# Altium PCB 15-34级主板.PcbDoc (part 2 of 4)
Units mil, origin at the board's own origin, x right, y up, seen from the top; angles counter-clockwise.
Board outline 2090.18 x 2701.44 mil, 2 copper layers (Top Layer, Bottom Layer); 13 components, 36 nets, 276 pads, 223 vias.
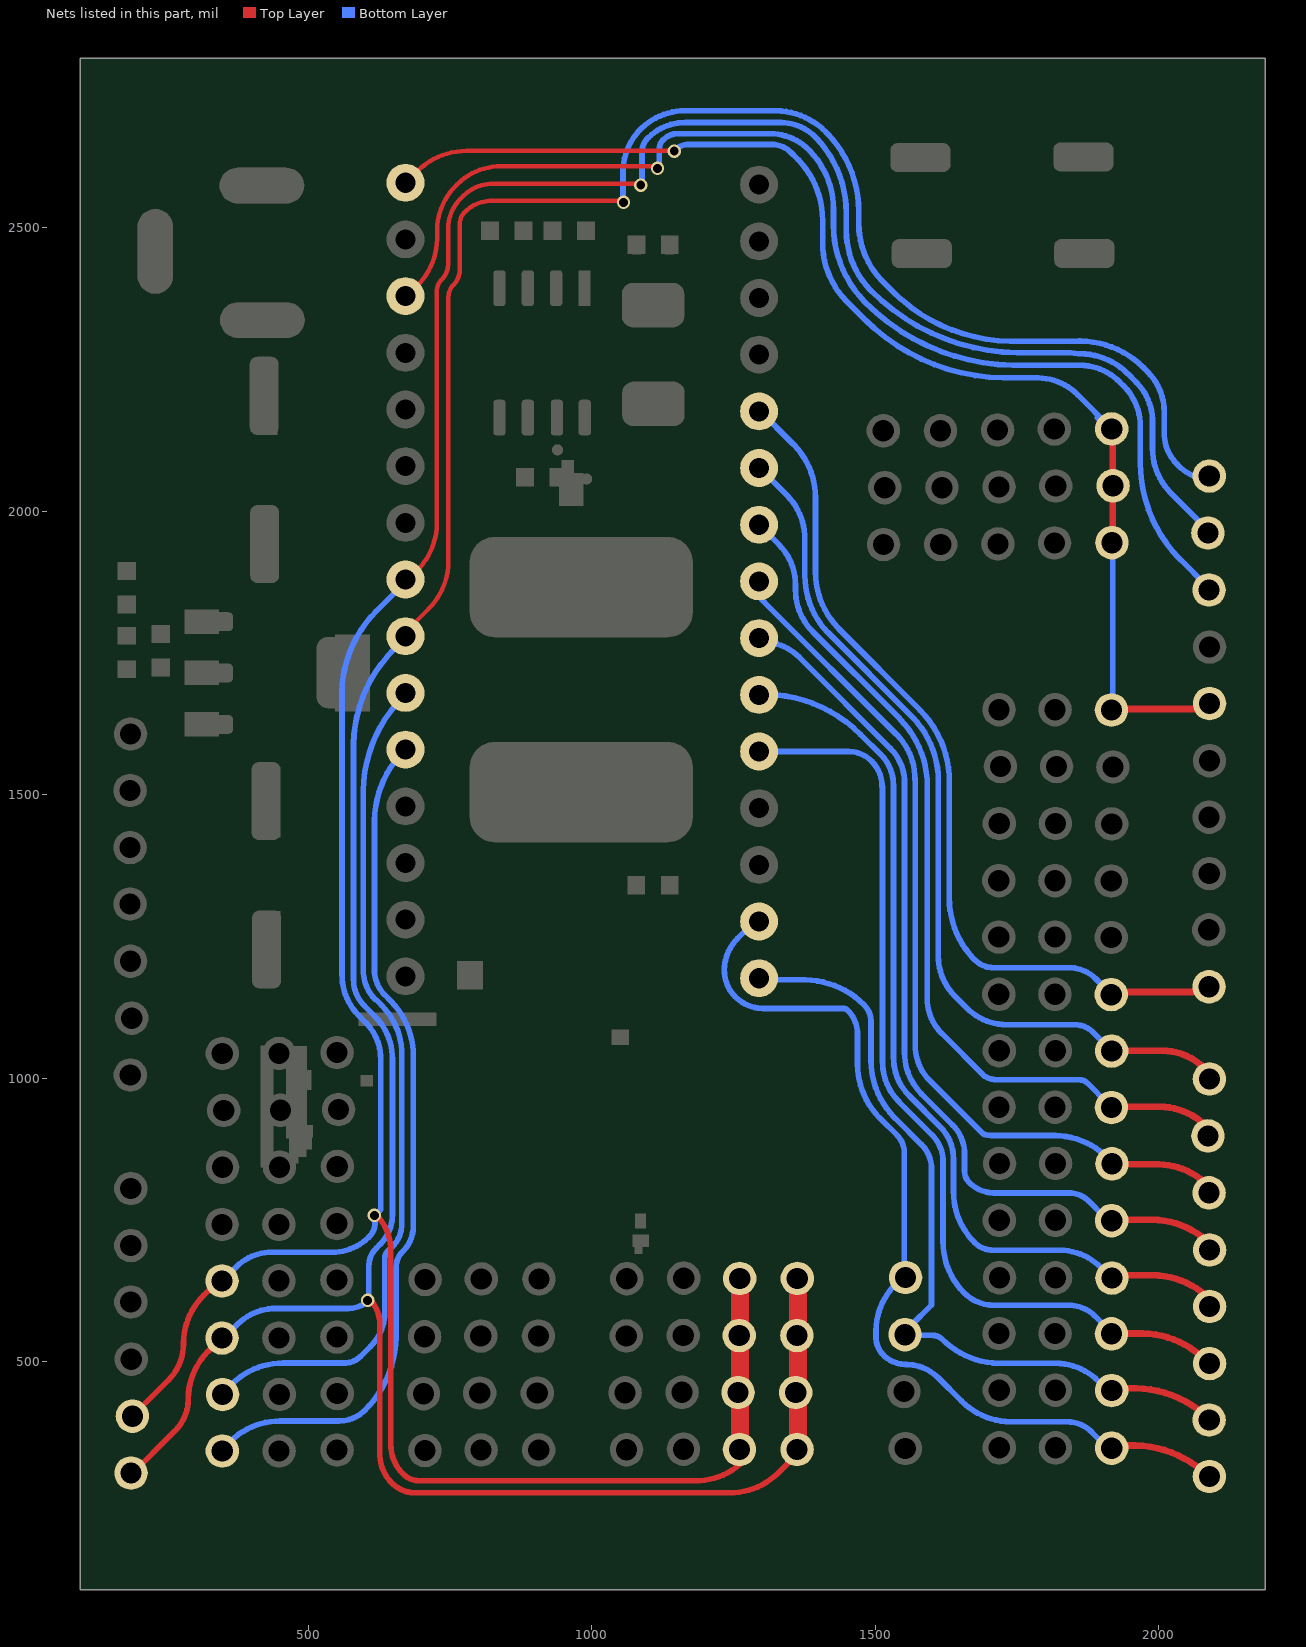
[diagram p2: the nets of this part, all layers, seen from the top]

## Via types
v1: diameter 23.62, hole 15.75, Top Layer to Bottom Layer, 223 vias

## Nets (pads, with @x,y where several pads share a name; then routed paths per layer and width w, separated by ;. In a path a pad name is that pad's centre, name@x,y a point inside that pad or via, vN(x,y) a via of type N, cw(c..) or ccw(c..) an arc to the next point about the centre after c; other vN are vias at no path point) (continued)
$Net4: pad.0@189.62,403.78 pad.0@347.77,642.37 pad.0@671.33,1879.65 pad.0@1258,445.49 pad.0@1260.08,545.91 pad.0@1260.49,345.1 pad.0@1260.92,646.75 pad.0@2086.75,1961.75 | length 5760.7
  Top Layer w7.87: pad.0@683.83,1887.58 691.39,1895.14 697.14,1901.3 702.44,1907.85 707.27,1914.75 711.61,1921.97 715.43,1929.48 718.73,1937.23 721.47,1945.2 723.65,1953.34 725.26,1961.61 726.28,1969.97 726.72,1978.38 726.74,1980.49 726.74,2388.69 726.74,2389.19 726.85,2391.17 727.09,2393.15 727.47,2395.1 727.98,2397.02 728.63,2398.9 729.41,2400.73 730.31,2402.5 731.33,2404.2 732.47,2405.83 733.72,2407.38 735.08,2408.83 736.98,2410.86 738.72,2413.02 740.32,2415.3 741.75,2417.68 743.01,2420.16 744.1,2422.71 745,2425.34 745.72,2428.02 746.25,2430.75 746.59,2433.51 746.73,2436.29 746.74,2436.98 746.74,2499.24 746.76,2500.52 747.02,2505.64 747.65,2510.73 748.63,2515.76 749.95,2520.71 751.62,2525.55 753.62,2530.27 755.95,2534.84 758.59,2539.23 761.53,2543.43 764.75,2547.41 768.25,2551.16 773.42,2556.33 774.33,2557.24 778.17,2560.69 782.23,2563.87 786.51,2566.75 790.98,2569.33 795.62,2571.6 800.41,2573.53 805.32,2575.13 810.32,2576.37 815.41,2577.27 820.54,2577.81 825.7,2577.99 v1@1086.32,2577.99
  Top Layer w10: pad.0@174.67,388.83 253.15,467.32 257.46,471.94 261.44,476.85 265.06,482.03 268.32,487.45 271.19,493.08 273.65,498.89 275.71,504.87 277.35,510.97 278.55,517.18 279.32,523.45 279.65,529.76 279.67,531.33 279.69,533.45 280.13,541.86 281.15,550.22 282.76,558.49 284.94,566.63 287.68,574.6 290.98,582.35 294.8,589.86 299.14,597.08 303.97,603.98 309.27,610.53 315.02,616.69 333.66,635.33 333.99,635.65 335.35,636.87 336.79,638 338.3,639.02 339.88,639.93 341.52,640.73 343.22,641.41 344.95,641.98 346.72,642.42 348.52,642.74 350.34,642.93 pad.0@352.16,642.99 ; v1@619.67,758.83 620.74,757.74 624.86,753.16 628.65,748.32 632.09,743.21 635.17,737.88 637.87,732.35 640.17,726.65 642.07,720.79 643.56,714.82 644.63,708.76 645.28,702.64 645.49,696.49 645.49,353.83 ; 645.45,353.88 645.63,348.76 646.16,343.66 647.05,338.61 648.29,333.64 649.88,328.77 651.8,324.01 654.05,319.41 656.61,314.97 659.47,310.72 662.63,306.68 666.06,302.87 666.95,301.96 669.09,299.96 671.37,298.12 673.77,296.44 676.28,294.93 678.89,293.6 681.59,292.45 684.36,291.5 687.19,290.74 690.06,290.18 692.97,289.83 695.9,289.67 696.64,289.67 1182.58,289.67 1191,289.96 1199.38,290.84 1207.68,292.31 1215.85,294.35 1223.87,296.95 1231.68,300.11 1239.25,303.8 1246.55,308.01 1253.53,312.72 1260.17,317.91 1266.43,323.55 1267.94,325.02 pad.0@1270.49,327.57 ; pad.0@1256.79,332.21 1257.46,332.93 1258.08,333.69 1258.64,334.5 1259.15,335.34 1259.6,336.22 1259.98,337.12 1260.3,338.05 1260.55,339 1260.74,339.97 1260.86,340.94 1260.91,341.92 pad.0@1260.92,342.17
  Top Layer w31.5: pad.0@1258.42,645.08 1258.53,644.96 1259,644.44 1259.43,643.89 1259.82,643.32 1260.16,642.72 1260.47,642.09 1260.73,641.45 1260.94,640.79 1261.11,640.11 1261.23,639.43 1261.31,638.73 1261.33,638.04 pad.0@1261.33,343.83
  Bottom Layer w10: pad.0@348.19,642.37 373.16,667.35 374.25,668.42 378.79,672.5 383.6,676.27 388.67,679.68 393.96,682.74 399.46,685.42 405.12,687.71 410.94,689.6 416.87,691.08 422.88,692.14 428.96,692.78 435.07,692.99 541.76,692.99 548.21,693.22 554.63,693.89 560.99,695.01 567.26,696.57 573.4,698.57 579.38,700.99 585.19,703.82 590.78,707.05 596.13,710.66 601.22,714.63 606.02,718.95 607.17,720.08 608.86,721.9 610.43,723.82 611.85,725.86 613.13,727.99 614.25,730.2 615.23,732.48 616.03,734.83 616.68,737.23 617.15,739.67 617.45,742.13 617.58,744.61 617.58,745.23 v1@617.58,761.33 ; v1@616.96,757.79 627.58,768.42 627.58,1033.83 627.36,1040.21 626.69,1046.56 625.58,1052.85 624.04,1059.05 622.06,1065.12 619.67,1071.05 616.87,1076.79 613.68,1082.32 610.11,1087.61 606.17,1092.64 601.9,1097.39 600.78,1098.53 589.24,1110.07 587.99,1111.35 583.2,1116.66 578.8,1122.29 574.8,1128.22 571.23,1134.41 568.1,1140.84 565.42,1147.47 563.21,1154.27 561.48,1161.2 560.24,1168.24 559.49,1175.35 559.24,1182.5 559.24,1677.18 559.28,1680.8 560.04,1695.31 561.81,1709.74 564.58,1724 568.34,1738.04 573.07,1751.78 578.75,1765.15 585.35,1778.1 592.83,1790.56 601.16,1802.46 610.31,1813.75 620.22,1824.38 pad.0@671.06,1875.23 ; v1@1088.42,2578.83 1088.42,2633.27 1088.42,2633.89 1088.55,2636.37 1088.85,2638.83 1089.32,2641.27 1089.97,2643.67 1090.77,2646.02 1091.74,2648.3 1092.87,2650.51 1094.15,2652.64 1095.57,2654.68 1097.14,2656.6 1098.83,2658.42 1100.01,2659.57 1104.88,2663.95 1110.04,2667.99 1115.48,2671.65 1121.15,2674.93 1127.04,2677.8 1133.12,2680.26 1139.35,2682.28 1145.71,2683.87 1152.16,2685.01 1158.68,2685.69 1165.23,2685.92 1333.06,2685.92 1334.55,2685.91 1340.5,2685.6 1346.41,2684.87 1352.26,2683.73 1358.02,2682.19 1363.65,2680.25 1369.14,2677.92 1374.44,2675.22 1379.55,2672.15 1384.43,2668.73 1389.06,2664.98 1393.42,2660.92 1395.73,2658.56 1404.56,2648.75 1412.69,2638.34 1420.08,2627.39 1426.68,2615.96 1432.47,2604.09 1437.41,2591.85 1441.49,2579.29 1444.69,2566.48 1446.98,2553.48 1448.36,2540.35 1448.82,2527.15 1448.82,2495.49 1449.19,2484.96 1450.29,2474.49 1452.12,2464.12 1454.67,2453.9 1457.92,2443.88 1461.87,2434.12 1466.48,2424.65 1471.75,2415.53 1477.64,2406.8 1484.12,2398.5 1491.17,2390.67 1493.02,2388.8 1512.06,2371.04 1532.3,2354.65 1553.63,2339.72 1575.95,2326.31 1599.15,2314.48 1623.12,2304.31 1647.74,2295.83 1672.9,2289.09 1698.46,2284.12 1724.3,2280.95 1750.31,2279.59 1756.82,2279.53 1840.72,2279.53 1844.15,2279.47 1851.12,2278.99 1858.03,2278.02 1860.43,2278.02 1862.53,2278 1870.9,2277.56 1879.23,2276.54 1887.46,2274.94 1895.57,2272.77 1903.5,2270.04 1911.22,2266.76 1918.69,2262.95 1925.88,2258.63 1932.76,2253.82 1939.27,2248.54 1945.41,2242.82 1959.95,2228.27 1962.23,2225.91 1966.82,2220.65 1971.03,2215.09 1974.85,2209.24 1978.24,2203.14 1981.21,2196.82 1983.72,2190.31 1985.78,2183.64 1987.36,2176.84 1988.47,2169.95 1989.09,2163 1989.15,2161.91 1989.19,2160.82 1989.22,2159.74 1989.23,2158.65 1989.24,2157.56 1989.24,2110.07 1989.51,2102.42 1990.31,2094.81 1991.64,2087.27 1993.49,2079.85 1995.85,2072.57 1998.72,2065.47 2002.07,2058.59 2005.9,2051.96 2010.18,2045.62 2014.89,2039.59 2020.01,2033.9 2021.36,2032.54 2084.82,1969.07 2084.92,1968.98 2085.3,1968.56 2085.64,1968.12 2085.95,1967.66 2086.23,1967.18 2086.48,1966.67 2086.69,1966.16 2086.86,1965.62 2087,1965.08 2087.09,1964.53 2087.15,1963.98 pad.0@2087.17,1963.42
  Bottom Layer w11.81: pad.0@347.59,640.96 347.6,641.1 347.61,641.24 347.64,641.38 347.68,641.52 347.73,641.65 347.78,641.79 347.85,641.91 347.92,642.04 348,642.15 348.09,642.27 pad.0@348.19,642.37 ; pad.0@671.06,1875.23 671.44,1875.64 671.8,1876.08 672.12,1876.54 672.41,1877.02 672.66,1877.52 672.88,1878.04 673.07,1878.57 673.21,1879.11 673.32,1879.66 673.39,1880.22 673.42,1880.78 pad.0@673.42,1880.92
  other v1: 616.33,758.02 1086.32,2575.49
$Net5: pad.0@187.17,303.43 pad.0@347.78,541.55 pad.0@671.33,1779.65 pad.0@1359.66,445.49 pad.0@1361.74,545.91 pad.0@1362.15,345.1 pad.0@1362.58,646.75 pad.0@2089.25,2062.15 | length 5799.4
  Top Layer w7.87: pad.0@657.99,1773.82 711.81,1827.64 717.56,1833.8 722.86,1840.35 727.69,1847.25 732.03,1854.47 735.85,1861.98 739.15,1869.73 741.89,1877.7 744.07,1885.84 745.68,1894.11 746.7,1902.47 747.14,1910.88 747.17,1913 747.17,2378.73 747.17,2379.22 747.27,2381.2 747.51,2383.17 747.89,2385.11 748.41,2387.03 749.05,2388.91 749.83,2390.73 750.73,2392.5 751.75,2394.2 752.89,2395.83 754.14,2397.37 755.49,2398.82 757.39,2400.85 759.13,2403.01 760.73,2405.29 762.16,2407.67 763.42,2410.15 764.51,2412.71 765.41,2415.34 766.13,2418.02 766.66,2420.75 767,2423.51 767.15,2426.28 767.16,2426.99 767.16,2506.87 767.17,2507.39 767.28,2509.47 767.53,2511.54 767.93,2513.59 768.47,2515.6 769.15,2517.57 769.96,2519.49 770.91,2521.35 771.98,2523.14 773.18,2524.85 774.49,2526.47 775.91,2527.99 776.76,2528.83 780.3,2532.02 784.06,2534.95 788.01,2537.61 792.13,2540 796.42,2542.09 800.84,2543.87 805.37,2545.34 809.99,2546.5 814.69,2547.33 819.43,2547.82 824.19,2547.99 v1@1057.16,2547.99
  Top Layer w10: pad.0@181.32,290.49 181.33,290.67 181.36,291.37 181.45,292.06 181.58,292.75 181.76,293.43 181.99,294.09 182.27,294.74 182.59,295.36 182.95,295.97 183.35,296.54 183.79,297.09 184.27,297.6 265.6,378.93 269.24,382.83 272.6,386.98 275.66,391.35 278.41,395.93 280.83,400.68 282.91,405.59 284.65,410.64 286.03,415.79 287.05,421.03 287.7,426.33 287.98,431.66 287.99,432.99 288.02,435.11 288.46,443.52 289.48,451.88 291.09,460.15 293.27,468.29 296.01,476.26 299.31,484.01 303.13,491.52 307.47,498.74 312.3,505.64 317.6,512.19 323.35,518.35 pad.0@349.1,544.1 ; pad.0@349.12,544.13 349.22,544.22 349.33,544.3 349.45,544.38 349.57,544.45 349.69,544.51 349.82,544.56 349.95,544.6 350.08,544.64 350.22,544.66 350.35,544.68 pad.0@350.49,544.68 ; v1@608.83,608.83 609.55,608.11 612.27,605.08 614.78,601.88 617.06,598.5 619.09,594.97 620.88,591.31 622.4,587.54 623.66,583.67 624.65,579.72 625.35,575.71 625.78,571.66 625.92,567.59 625.92,338.35 ; 625.81,338.35 625.99,333.14 626.54,327.96 627.44,322.83 628.7,317.77 630.31,312.82 632.26,307.99 634.55,303.3 637.15,298.79 640.07,294.47 643.27,290.37 646.76,286.49 647.67,285.56 ; 647.63,285.66 650.63,282.86 653.82,280.28 657.19,277.92 660.71,275.8 664.37,273.94 668.15,272.34 672.03,271 676,269.94 680.03,269.15 684.1,268.65 688.2,268.44 689.23,268.43 1243.43,268.43 1251.85,268.72 1260.23,269.6 1268.53,271.07 1276.7,273.11 1284.72,275.71 1292.53,278.87 1300.1,282.56 1307.4,286.77 1314.38,291.48 1321.02,296.67 1327.28,302.31 1328.78,303.78 pad.0@1370.08,345.08
  Top Layer w31.5: pad.0@1363.83,346.33 pad.0@1363.83,644.15
  Top Layer w39.37: pad.0@1362.58,647.17 1362.63,647.12 1362.83,646.89 1363.01,646.66 1363.18,646.41 1363.33,646.15 1363.46,645.89 1363.57,645.61 1363.66,645.33 1363.74,645.04 1363.79,644.74 1363.82,644.45 pad.0@1363.83,644.15
  Bottom Layer w10: pad.0@348.41,541.74 348.83,541.75 349.25,541.8 349.67,541.87 350.07,541.97 350.48,542.1 350.87,542.26 351.25,542.45 351.61,542.66 351.96,542.89 352.29,543.15 352.61,543.44 352.68,543.51 375.01,565.84 376.2,567.01 381.16,571.47 386.41,575.58 391.94,579.31 397.72,582.64 403.71,585.57 409.9,588.07 416.24,590.13 422.71,591.74 429.28,592.9 435.91,593.6 442.58,593.83 570.38,593.83 574.05,593.96 577.7,594.34 581.32,594.98 584.88,595.87 588.37,597 591.78,598.38 595.08,599.99 598.26,601.82 601.3,603.88 604.2,606.14 606.93,608.6 v1@607.57,609.24 ; v1@606.74,607.99 606.74,668.3 606.74,669.09 606.91,672.27 607.3,675.42 607.9,678.54 608.73,681.61 609.76,684.61 611,687.54 612.44,690.37 614.08,693.09 615.9,695.7 617.9,698.17 620.07,700.49 626.61,707.03 630.15,710.83 633.42,714.87 636.4,719.12 639.08,723.58 641.44,728.2 643.47,732.99 645.16,737.9 646.5,742.92 647.49,748.02 648.13,753.17 648.4,758.36 648.42,759.67 ; 648.42,758.21 648.42,1033.51 648.16,1041 647.37,1048.46 646.07,1055.84 644.26,1063.12 641.94,1070.25 639.13,1077.2 635.85,1083.94 632.1,1090.43 627.91,1096.64 623.29,1102.55 618.27,1108.12 616.96,1109.46 598.82,1127.6 598.02,1128.41 594.97,1131.8 592.16,1135.39 589.61,1139.18 587.32,1143.13 585.32,1147.23 583.61,1151.47 582.2,1155.81 581.1,1160.23 580.31,1164.73 579.83,1169.27 579.67,1173.83 579.67,1585.1 579.71,1589.31 580.59,1606.14 582.64,1622.87 585.86,1639.41 590.22,1655.68 595.7,1671.62 602.29,1687.13 609.94,1702.14 618.62,1716.59 628.28,1730.39 638.89,1743.49 pad.0@650.38,1755.81 ; v1@1055.07,2545.49 1055.07,2598.8 1055.09,2600.66 1055.48,2608.1 1056.39,2615.49 1057.81,2622.8 1059.73,2629.99 1062.16,2637.03 1065.07,2643.89 1068.45,2650.52 1072.28,2656.91 1076.55,2663.01 1081.24,2668.79 1086.32,2674.24 1087.71,2675.6 1093.47,2680.78 1099.57,2685.55 1105.99,2689.88 1112.7,2693.75 1119.66,2697.15 1126.84,2700.05 1134.21,2702.44 1141.72,2704.32 1149.35,2705.66 1157.05,2706.47 1164.79,2706.74 1322.46,2706.74 1324.69,2706.72 1333.62,2706.25 1342.49,2705.16 1351.26,2703.46 1359.89,2701.14 1368.34,2698.24 1376.57,2694.74 1384.53,2690.69 1392.19,2686.08 1399.51,2680.96 1406.45,2675.33 1412.99,2669.24 1415.41,2666.78 1424.65,2656.52 1433.14,2645.65 1440.86,2634.21 1447.76,2622.25 1453.81,2609.85 1458.98,2597.05 1463.25,2583.92 1466.59,2570.53 1468.99,2556.94 1470.43,2543.21 1470.91,2529.42 1470.91,2507.71 1471.26,2497.59 1472.32,2487.51 1474.08,2477.53 1476.53,2467.7 1479.66,2458.07 1483.46,2448.68 1487.9,2439.57 1492.96,2430.8 1498.63,2422.4 1504.87,2414.42 1511.64,2406.89 1513.42,2405.08 1530.34,2388.16 1545.7,2373.84 1562.02,2360.62 1579.23,2348.57 1597.23,2337.75 1615.95,2328.22 1635.28,2320.01 1655.14,2313.17 1675.43,2307.74 1696.05,2303.73 1716.89,2301.17 1737.87,2300.07 1743.11,2300.03 1858.94,2300.03 ; 1859.38,2300.47 1862.2,2300.45 1873.47,2299.86 1884.67,2298.48 1895.74,2296.33 1906.64,2293.41 1917.31,2289.74 1927.69,2285.33 1937.75,2280.21 1947.42,2274.4 1956.66,2267.93 1965.43,2260.82 1973.68,2253.13 1980.38,2246.43 1981.6,2245.19 1986.27,2240 1990.57,2234.5 1994.47,2228.71 1997.96,2222.67 2001.02,2216.39 2003.64,2209.92 2005.8,2203.28 2007.48,2196.51 2008.7,2189.64 2009.43,2182.7 2009.67,2175.72 2009.67,2138.42 2009.86,2132.94 2010.43,2127.49 2011.39,2122.1 2012.71,2116.78 2014.4,2111.57 2016.46,2106.49 2018.86,2101.56 2021.6,2096.82 2024.66,2092.27 2028.04,2087.95 2031.7,2083.88 2032.66,2082.9 2035.33,2080.24 2039.64,2076.22 2044.23,2072.51 2049.06,2069.12 2054.11,2066.09 2059.37,2063.41 2064.8,2061.1 2070.37,2059.18 2076.07,2057.66 2081.86,2056.53 2087.72,2055.81 2093.61,2055.5 pad.0@2095.07,2055.49
  other v1: 604.67,608 1055.92,2545.08
$Net6: pad.0@671.33,2379.65 pad.0@2088.83,1861.33 | length 2069.9
  Top Layer w7.87: pad.0@691.81,2397.25 697.56,2403.41 702.86,2409.96 707.69,2416.86 712.03,2424.08 715.85,2431.59 719.15,2439.34 721.89,2447.31 724.07,2455.45 725.68,2463.72 726.7,2472.08 727.14,2480.49 727.17,2482.6 727.17,2495.08 727.18,2497.03 727.59,2504.81 728.54,2512.55 730.03,2520.2 732.04,2527.73 734.58,2535.1 737.63,2542.27 741.16,2549.22 745.18,2555.9 749.65,2562.28 754.55,2568.34 759.87,2574.04 762.57,2576.74 763.94,2578.08 769.62,2583.19 775.64,2587.9 781.98,2592.18 788.6,2596 795.48,2599.35 802.57,2602.21 809.84,2604.58 817.26,2606.43 824.78,2607.75 832.39,2608.55 840.03,2608.82 v1@1115.49,2608.82
  Bottom Layer w10: v1@1119.04,2605.71 1119.04,2639.2 1119.04,2639.59 1119.13,2641.17 1119.32,2642.75 1119.62,2644.31 1120.04,2645.85 1120.55,2647.35 1121.17,2648.81 1121.9,2650.23 1122.71,2651.59 1123.63,2652.89 1124.63,2654.13 1125.71,2655.29 1126.17,2655.75 1128.13,2657.51 1130.2,2659.13 1132.38,2660.6 1134.66,2661.92 1137.03,2663.07 1139.47,2664.06 1141.97,2664.87 1144.52,2665.51 1147.11,2665.96 1149.73,2666.24 1152.36,2666.33 1313.56,2666.33 1315.27,2666.31 1322.12,2665.96 1328.92,2665.12 1335.65,2663.81 1342.27,2662.04 1348.75,2659.81 1355.06,2657.13 1361.16,2654.02 1367.04,2650.49 1372.65,2646.56 1377.98,2642.24 1382.99,2637.57 1384.8,2635.73 1391.71,2628.06 1398.06,2619.92 1403.84,2611.36 1409,2602.42 1413.53,2593.14 1417.4,2583.56 1420.59,2573.74 1423.09,2563.72 1424.88,2553.55 1425.96,2543.28 1426.32,2532.96 1426.32,2504.8 1426.79,2491.3 1428.2,2477.87 1430.55,2464.58 1433.81,2451.47 1437.99,2438.63 1443.05,2426.11 1448.97,2413.97 1455.72,2402.28 1463.27,2391.08 1471.58,2380.44 1480.62,2370.4 1482.99,2367.99 1502.23,2350.05 1522.67,2333.5 1544.21,2318.41 1566.76,2304.87 1590.19,2292.93 1614.4,2282.65 1639.27,2274.09 1664.67,2267.28 1690.49,2262.26 1716.6,2259.06 1742.86,2257.68 1749.44,2257.63 1860.45,2257.63 1862.2,2257.61 1869.17,2257.25 1876.09,2256.4 1882.94,2255.07 1889.69,2253.26 1896.29,2250.99 1902.71,2248.26 1908.93,2245.09 1914.91,2241.5 1920.63,2237.49 1926.06,2233.1 1931.16,2228.34 1938.29,2221.2 1939.51,2219.96 1944.18,2214.77 1948.48,2209.27 1952.38,2203.48 1955.87,2197.44 1958.93,2191.16 1961.55,2184.69 1963.71,2178.05 1965.39,2171.28 1966.61,2164.41 1967.34,2157.47 1967.58,2150.49 1967.58,2085.5 1968.17,2068.66 1969.93,2051.9 1972.86,2035.31 1976.93,2018.96 1982.14,2002.93 1988.45,1987.31 1995.84,1972.16 2004.26,1957.57 2013.69,1943.6 2024.06,1930.32 2035.34,1917.8 2038.29,1914.79 pad.0@2084.67,1868.42
  other v1: 1115.92,2605.08
$Net9: pad.0@671.33,2579.65 pad.0@1916.74,1649.45 pad.0@1917.17,2145.48 pad.0@1917.59,1944.66 pad.0@1919.67,2045.08 pad.0@2089.68,1660.91 | length 2272.7
  Top Layer w7.87: pad.0@674.67,2582.17 692.84,2600.34 694.35,2601.82 700.61,2607.46 707.25,2612.65 714.23,2617.36 721.53,2621.57 729.1,2625.26 736.91,2628.42 744.93,2631.02 753.1,2633.06 761.4,2634.53 769.78,2635.41 778.2,2635.7 v1@1145.49,2635.7
  Top Layer w11.81: pad.0@1917.17,1931.33 1917.51,1931.69 1917.82,1932.08 1918.1,1932.48 1918.36,1932.9 1918.58,1933.35 1918.77,1933.8 1918.94,1934.27 1919.06,1934.75 1919.16,1935.23 1919.22,1935.72 1919.24,1936.22 1919.24,1936.34 pad.0@1919.24,2150.93 ; pad.0@1917.99,1651.32 pad.0@2101.31,1651.32
  Bottom Layer w10: v1@1146.33,2637.17 1146.76,2637.59 1148.54,2639.18 1150.41,2640.65 1152.39,2641.98 1154.45,2643.17 1156.59,2644.22 1158.8,2645.11 1161.07,2645.85 1163.38,2646.42 1165.73,2646.84 1168.1,2647.09 1170.48,2647.17 1317.58,2647.17 1318.41,2647.16 1321.7,2646.99 1324.98,2646.59 1328.21,2645.96 1331.4,2645.1 1334.52,2644.03 1337.56,2642.74 1340.5,2641.24 1343.33,2639.54 1346.03,2637.65 1348.6,2635.57 1351.01,2633.32 1362.17,2622.17 1364.05,2620.26 1371.22,2612.29 1377.83,2603.84 1383.82,2594.95 1389.19,2585.66 1393.89,2576.02 1397.9,2566.08 1401.22,2555.88 1403.81,2545.47 1405.67,2534.91 1406.8,2524.25 1407.17,2513.53 1407.17,2473.83 1407.53,2463.51 1408.61,2453.24 1410.4,2443.08 1412.9,2433.06 1416.09,2423.24 1419.96,2413.67 1424.48,2404.39 1429.65,2395.45 1435.42,2386.89 1441.77,2378.76 1448.68,2371.08 1450.49,2369.24 1480.07,2339.66 1498.25,2322.71 1517.57,2307.06 1537.93,2292.81 1559.24,2280 1581.38,2268.72 1604.27,2259.01 1627.77,2250.91 1651.78,2244.48 1676.18,2239.74 1700.85,2236.71 1725.67,2235.41 1731.89,2235.35 1785.87,2235.35 1787.62,2235.34 1794.59,2234.98 1801.51,2234.13 1808.36,2232.8 1815.11,2230.99 1821.71,2228.72 1828.13,2225.99 1834.35,2222.82 1840.33,2219.23 1846.05,2215.22 1851.48,2210.83 1856.58,2206.07 pad.0@1917.17,2145.48 ; 1892,2164.82 1907.6,2149.22 1908.32,2148.55 1909.09,2147.93 1909.9,2147.36 1910.74,2146.85 1911.62,2146.41 1912.53,2146.02 1913.46,2145.7 1914.41,2145.44 1915.38,2145.26 1916.36,2145.14 1917.34,2145.08 pad.0@1917.58,2145.08 ; pad.0@1912.99,1951.32 1913.23,1951.08 1914.16,1950.04 1915.02,1948.95 1915.8,1947.79 1916.49,1946.59 1917.11,1945.33 1917.63,1944.04 1918.06,1942.72 1918.39,1941.37 1918.64,1940 1918.78,1938.61 1918.83,1937.22 pad.0@1918.83,1647.58
  other v1: 1145.49,2635.49
$Net11: pad.0@348.2,342.37 pad.0@671.33,1579.65 | length 1496.5
  Bottom Layer w10: pad.0@348.62,339.24 348.61,339.51 348.67,340.6 348.8,341.68 349.01,342.75 349.29,343.8 349.65,344.83 350.07,345.83 350.57,346.8 351.13,347.74 351.75,348.63 352.44,349.47 353.18,350.27 361.52,358.61 363.08,360.14 369.58,365.99 376.47,371.37 383.71,376.26 391.28,380.63 399.14,384.46 407.25,387.74 415.56,390.44 424.04,392.55 432.65,394.07 441.34,394.98 450.08,395.29 553.81,395.29 558.37,395.45 562.92,395.93 567.42,396.72 571.85,397.82 576.19,399.24 580.43,400.95 584.53,402.95 588.49,405.23 592.27,407.79 595.87,410.6 599.27,413.66 600.08,414.46 608.95,423.97 617.13,434.08 624.59,444.73 631.29,455.88 637.2,467.47 642.28,479.44 646.51,491.73 649.88,504.3 652.36,517.06 653.94,529.97 654.62,542.96 654.66,546.21 654.66,665.85 654.66,666.55 654.81,669.32 655.14,672.09 655.68,674.82 656.4,677.51 657.3,680.14 658.39,682.7 659.65,685.18 661.08,687.56 662.68,689.84 664.43,692 666.33,694.04 669.41,697.34 672.25,700.86 674.85,704.56 677.17,708.43 679.22,712.45 680.99,716.61 682.46,720.89 683.63,725.25 684.49,729.68 685.04,734.17 685.28,738.68 685.29,739.81 685.29,1038.26 684.95,1048.04 683.93,1057.77 682.23,1067.4 679.86,1076.89 676.84,1086.2 673.17,1095.27 668.88,1104.06 663.99,1112.53 658.52,1120.64 652.5,1128.35 645.95,1135.62 644.24,1137.37 635.12,1146.49 634.34,1147.27 631.38,1150.56 628.65,1154.05 626.18,1157.72 623.96,1161.56 622.02,1165.53 620.36,1169.64 619,1173.85 617.93,1178.14 617.16,1182.5 616.69,1186.91 616.54,1191.33 616.54,1451.46 616.57,1454.56 617.22,1466.96 618.73,1479.27 621.1,1491.46 624.31,1503.44 628.35,1515.18 633.2,1526.6 638.84,1537.66 645.23,1548.29 652.35,1558.46 660.16,1568.1 pad.0@668.62,1577.18
$Net12: pad.0@348.61,441.96 pad.0@671.33,1679.65 | length 1465.7
  Bottom Layer w10: pad.0@364.24,459.68 365.86,461.26 372.57,467.3 379.69,472.86 387.18,477.91 395,482.43 403.12,486.39 411.5,489.78 420.09,492.57 428.85,494.75 437.75,496.32 446.73,497.26 455.76,497.58 563.42,497.58 566.3,497.68 569.16,497.98 571.99,498.48 574.79,499.18 577.52,500.07 580.19,501.15 582.78,502.41 585.27,503.85 587.66,505.46 589.93,507.23 592.07,509.15 592.58,509.66 609.66,526.74 613.72,531.1 617.47,535.73 620.89,540.61 623.96,545.72 626.66,551.02 628.99,556.51 630.93,562.14 632.47,567.9 633.61,573.75 634.34,579.66 634.65,585.61 634.66,587.1 634.66,681.41 634.66,681.75 634.73,683.14 634.9,684.52 635.16,685.88 635.52,687.23 635.98,688.54 636.52,689.82 637.15,691.06 637.87,692.25 638.67,693.39 639.54,694.47 640.49,695.49 647.36,702.02 ; 618.42,1138.42 617.51,1139.34 614.06,1143.18 610.87,1147.25 607.99,1151.53 605.4,1156 603.14,1160.65 601.2,1165.44 599.61,1170.35 598.36,1175.36 597.46,1180.45 596.92,1185.59 596.74,1190.75 596.74,1502.99 596.78,1507.19 597.66,1523.94 599.7,1540.6 602.91,1557.07 607.25,1573.28 612.71,1589.15 619.27,1604.59 626.89,1619.55 635.53,1633.93 645.16,1647.68 655.72,1660.72 pad.0@667.16,1672.99 ; 619.25,1138.54 628.84,1128.94 ; 628.5,1129.32 630.02,1127.77 635.83,1121.32 641.18,1114.48 646.04,1107.28 650.38,1099.76 654.18,1091.95 657.44,1083.9 660.12,1075.64 662.22,1067.22 663.73,1058.66 664.64,1050.03 664.94,1041.35 664.94,742.2 ; 648.37,703 651.03,705.85 653.48,708.88 655.71,712.07 657.72,715.41 659.49,718.88 661.01,722.46 662.28,726.14 663.28,729.91 664.03,733.73 664.5,737.6 664.71,741.49 664.71,742.47
$Net13: pad.0@1295.08,1876.33 pad.0@1917.56,849.04 pad.0@2089.03,797.8 | length 1536.1
  Top Layer w11.81: pad.0@1916.74,847.99 1997.83,847.99 2000.01,847.97 2008.74,847.51 2017.41,846.45 2025.98,844.78 2034.42,842.52 2042.68,839.67 2050.72,836.26 2058.51,832.3 2066,827.8 2073.15,822.79 2079.94,817.29 pad.0@2086.33,811.33
  Bottom Layer w10: pad.0@1289.24,1875.49 1289.36,1872.01 1289.73,1868.54 1290.33,1865.11 1291.17,1861.73 1292.25,1858.41 1293.56,1855.18 1295.08,1852.05 1296.83,1849.03 1298.78,1846.14 1300.92,1843.4 1303.25,1840.81 1303.86,1840.19 1537.2,1606.85 1538.58,1605.45 1543.84,1599.62 1548.67,1593.43 1553.06,1586.92 1556.99,1580.11 1560.43,1573.06 1563.37,1565.77 1565.8,1558.3 1567.7,1550.68 1569.06,1542.95 1569.89,1535.14 1570.16,1527.29 ; 1570.45,1523.92 1570.45,1057.82 1570.66,1051.7 1571.3,1045.61 1572.37,1039.59 1573.85,1033.65 1575.74,1027.82 1578.03,1022.15 1580.72,1016.65 1583.78,1011.35 1587.2,1006.27 1590.97,1001.45 1595.06,996.9 1596.14,995.81 1688.68,903.26 1689.2,902.78 1689.28,902.71 1689.84,902.27 1690.42,901.87 1691.03,901.51 1691.67,901.2 1692.32,900.93 1692.99,900.7 1693.68,900.53 1694.38,900.4 1695.08,900.32 1695.79,900.29 1695.86,900.29 1698.66,899.63 1701.5,899.16 1704.36,898.9 1706.74,898.82 1814.93,898.82 1817.29,898.8 1826.71,898.31 1836.07,897.16 1845.33,895.36 1854.44,892.92 1863.36,889.85 1872.04,886.16 1880.45,881.88 1888.53,877.02 1896.26,871.61 1903.59,865.67 pad.0@1910.49,859.24
$Net14: pad.0@1295.08,1776.33 pad.0@1917.15,748.63 pad.0@2089.88,696.96 | length 1562.2
  Top Layer w11.81: pad.0@1916.32,750.49 1986.12,750.49 1988.73,750.47 1999.14,749.92 2009.49,748.65 2019.72,746.66 2029.79,743.96 2039.65,740.57 2049.25,736.49 2058.54,731.76 2067.47,726.39 2076.01,720.41 2084.11,713.85 pad.0@2091.74,706.74
  Bottom Layer w10: pad.0@1299.24,1770.07 1300.89,1770.06 1307.48,1769.72 1314.04,1768.91 1320.52,1767.65 1326.9,1765.94 1333.14,1763.79 1339.22,1761.21 1345.1,1758.22 1350.76,1754.82 1356.17,1751.03 1361.3,1746.87 1366.13,1742.37 1526.33,1582.17 1527.39,1581.09 1531.44,1576.59 1535.17,1571.82 1538.56,1566.8 1541.59,1561.56 1544.24,1556.11 1546.51,1550.5 1548.38,1544.74 1549.84,1538.87 1550.9,1532.9 1551.53,1526.88 1551.74,1520.83 1551.74,1044.6 1551.99,1037.46 1552.74,1030.35 1553.98,1023.31 1555.71,1016.37 1557.92,1009.57 1560.59,1002.94 1563.73,996.52 1567.3,990.33 1571.3,984.4 1575.7,978.77 1580.49,973.45 1581.74,972.18 1636.33,917.58 1637.22,916.68 1640.6,912.91 1643.72,908.93 1646.55,904.73 1649.08,900.35 1651.3,895.8 1653.2,891.1 1654.76,886.29 1655.99,881.38 1656.86,876.39 1657.39,871.36 1657.57,866.3 1657.57,836.06 1657.64,834.07 1657.85,832.09 1658.19,830.14 1658.67,828.21 1659.29,826.32 1660.03,824.47 1660.9,822.68 1661.9,820.96 1663.01,819.31 1664.24,817.75 1665.57,816.27 1665.92,815.92 1669.12,812.94 1672.51,810.19 1676.09,807.68 1679.84,805.43 1683.73,803.45 1687.76,801.74 1691.89,800.31 1696.11,799.18 1700.4,798.35 1704.74,797.82 1709.11,797.59 1710.2,797.57 1841.74,797.57 1842.61,797.57 1846.05,797.39 1849.46,796.97 1852.84,796.31 1856.16,795.42 1859.41,794.3 1862.58,792.96 1865.64,791.4 1868.59,789.62 1871.41,787.65 1874.08,785.49 1876.6,783.14 1904.44,755.3 1904.7,755.06 1904.97,754.84 1905.26,754.64 1905.56,754.46 1905.87,754.3 1906.2,754.16 1906.53,754.05 1906.87,753.95 1907.21,753.89 1907.56,753.84 1907.91,753.83 pad.0@1907.99,753.82
$Net15: pad.0@1295.08,1676.33 pad.0@1917.57,647.38 pad.0@2089.88,597.38 | length 1566.4
  Top Layer w11.81: pad.0@1932.58,652.58 1986.54,652.58 1989.16,652.56 1999.57,652.01 2009.92,650.74 2020.15,648.75 2030.22,646.05 2040.08,642.66 2049.68,638.58 2058.97,633.85 2067.9,628.48 2076.44,622.5 2084.55,615.94 pad.0@2092.17,608.83
  Bottom Layer w10: pad.0@1296.33,1677.17 1303.42,1677.17 1307.63,1677.12 1324.46,1676.24 1341.19,1674.19 1357.73,1670.97 1374,1666.61 1389.94,1661.13 1405.45,1654.54 1420.46,1646.89 1434.91,1638.21 1448.71,1628.55 1461.81,1617.94 1474.13,1606.45 1510.07,1570.51 1511,1569.57 1514.52,1565.66 1517.76,1561.51 1520.71,1557.15 1523.34,1552.59 1525.65,1547.85 1527.62,1542.97 1529.25,1537.96 1530.52,1532.85 1531.44,1527.67 1531.99,1522.43 1532.17,1517.17 1532.17,1036.11 1532.4,1029.48 1533.09,1022.88 1534.25,1016.35 1535.85,1009.92 1537.9,1003.61 1540.39,997.46 1543.29,991.5 1546.61,985.75 1550.32,980.25 1554.4,975.03 1558.84,970.1 1560,968.92 1614.7,914.21 1615.67,913.22 1619.39,909.1 1622.8,904.72 1625.91,900.12 1628.68,895.32 1631.12,890.33 1633.19,885.18 1634.91,879.91 1636.25,874.52 1637.22,869.06 1637.8,863.54 1637.99,857.99 1637.99,799.63 1638.3,790.8 1639.22,782.01 1640.76,773.3 1642.9,764.72 1645.63,756.32 1648.94,748.12 1652.81,740.18 1657.23,732.52 1662.18,725.19 1667.62,718.23 1673.53,711.66 1675.08,710.08 1677.41,707.91 1679.88,705.91 1682.48,704.09 1685.21,702.45 1688.04,701.01 1690.97,699.76 1693.97,698.73 1697.04,697.91 1700.16,697.3 1703.32,696.91 1706.49,696.75 1707.29,696.74 1824,696.74 1825.84,696.73 1833.17,696.35 1840.46,695.45 1847.68,694.05 1854.77,692.15 1861.72,689.76 1868.48,686.88 1875.02,683.55 1881.32,679.77 1887.34,675.55 1893.05,670.93 pad.0@1898.42,665.92
$Net16: pad.0@1295.08,1576.33 pad.0@1916.74,549.05 pad.0@2089.87,496.55 | length 1642.9
  Top Layer w11.81: pad.0@1922.17,549.67 1969.47,549.67 1972.25,549.64 1983.36,549.06 1994.4,547.71 2005.32,545.58 2016.06,542.7 2026.58,539.08 2036.82,534.74 2046.73,529.69 2056.27,523.96 2065.38,517.58 2074.02,510.58 pad.0@2082.16,502.99
  Bottom Layer w10: pad.0@1300.07,1575.49 1300.11,1575.52 1300.26,1575.66 1300.42,1575.78 1300.58,1575.89 1300.76,1575.99 1300.94,1576.08 1301.12,1576.16 1301.32,1576.22 1301.51,1576.27 1301.71,1576.3 1301.91,1576.32 1302.11,1576.33 1452.56,1576.33 1453.58,1576.32 1457.65,1576.11 1461.69,1575.61 1465.69,1574.83 1469.62,1573.78 1473.47,1572.45 1477.22,1570.86 1480.85,1569.01 1484.34,1566.92 1487.68,1564.58 1490.84,1562.02 1493.82,1559.24 1494.68,1558.39 ; 1494.33,1558.05 1495.08,1557.29 1497.9,1554.16 1500.5,1550.83 1502.86,1547.33 1504.97,1543.67 1506.82,1539.88 1508.4,1535.97 1509.71,1531.95 1510.73,1527.85 1511.46,1523.7 1511.9,1519.5 1512.05,1515.28 ; 1512.78,1514.33 1512.78,1029.22 1513.02,1022.23 1513.75,1015.28 1514.97,1008.4 1516.66,1001.61 1518.82,994.96 1521.44,988.48 1524.5,982.2 1528,976.14 1531.91,970.35 1536.21,964.84 1540.89,959.64 1542.12,958.4 ; 1541.94,958.22 1600.08,900.08 1600.9,899.24 1604.03,895.78 1606.9,892.1 1609.51,888.23 1611.84,884.19 1613.89,879.99 1615.64,875.67 1617.08,871.23 1618.21,866.7 1619.02,862.11 1619.51,857.46 1619.67,852.8 1619.67,711.44 1619.98,702.51 1620.92,693.62 1622.47,684.82 1624.63,676.14 1627.39,667.64 1630.74,659.36 1634.66,651.32 1639.13,643.58 1644.13,636.17 1649.63,629.13 1655.61,622.49 1657.17,620.89 1660.87,617.44 1664.8,614.26 1668.95,611.35 1673.28,608.75 1677.79,606.45 1682.45,604.48 1687.23,602.83 1692.12,601.52 1697.08,600.55 1702.1,599.94 1707.15,599.67 1708.42,599.67 ; 1706.37,599.67 1840.92,599.67 1842.08,599.66 1846.7,599.42 1851.3,598.85 1855.84,597.97 1860.32,596.77 1864.69,595.26 1868.96,593.46 1873.08,591.35 1877.05,588.97 1880.84,586.31 1884.44,583.4 1887.83,580.24 pad.0@1914.51,553.56 ; pad.0@1914.53,553.54 1914.62,553.44 1914.7,553.33 1914.78,553.21 1914.85,553.09 1914.91,552.97 1914.96,552.84 1915,552.71 1915.04,552.58 1915.06,552.44 1915.08,552.31 pad.0@1915.08,552.17
$Net17: pad.0@1295.08,1276.33 pad.0@1553.42,648.43 pad.0@1917.15,347.38 pad.0@2089.45,297.37 | length 1641.9
  Top Layer w11.81: pad.0@1917.99,352.18 1955.21,352.18 1958.49,352.15 1971.58,351.46 1984.59,349.87 1997.45,347.37 2010.11,343.97 2022.5,339.71 2034.57,334.59 2046.25,328.64 2057.48,321.88 2068.22,314.37 2078.4,306.12 pad.0@2087.99,297.18
  Bottom Layer w10: pad.0@1286.74,1275.93 1257.13,1246.31 1253.34,1242.25 1249.85,1237.94 1246.67,1233.39 1243.81,1228.63 1241.29,1223.68 1239.12,1218.57 1237.31,1213.32 1235.87,1207.96 1234.81,1202.51 1234.14,1197 1233.85,1191.46 1233.83,1190.08 1233.99,1185.52 1234.47,1180.98 1235.26,1176.48 1236.36,1172.05 1237.77,1167.71 1239.48,1163.48 1241.49,1159.37 1243.77,1155.42 1246.32,1151.63 1249.13,1148.04 1252.19,1144.64 1252.99,1143.82 1256.62,1140.43 1260.48,1137.31 1264.54,1134.46 1268.8,1131.91 1273.22,1129.65 1277.79,1127.71 1282.49,1126.1 1287.28,1124.81 1292.15,1123.86 1297.08,1123.26 1302.04,1123 1303.29,1122.99 1443.31,1122.99 1443.51,1122.99 1444.3,1122.95 1445.08,1122.85 1445.86,1122.7 1446.63,1122.5 1447.37,1122.24 1448.1,1121.93 1448.81,1121.57 1449.49,1121.16 1450.14,1120.71 1450.75,1120.21 1451.33,1119.67 1452.06,1118.92 1454.85,1115.82 1457.42,1112.53 1459.75,1109.08 1461.84,1105.47 1463.67,1101.72 1465.23,1097.85 1466.52,1093.89 1467.52,1089.84 1468.25,1085.73 1468.68,1081.59 1468.83,1077.42 1468.83,1024.71 1469.16,1015.3 1470.14,1005.93 1471.78,996.66 1474.06,987.52 1476.97,978.56 1480.5,969.83 1484.62,961.36 1489.33,953.21 1494.6,945.4 1500.4,937.98 1506.7,930.98 1508.35,929.29 1539.03,898.62 1539.54,898.1 1541.5,895.92 1543.31,893.61 1544.95,891.18 1546.41,888.64 1547.7,886 1548.8,883.28 1549.7,880.5 1550.41,877.65 1550.92,874.77 1551.23,871.85 1551.33,868.92 pad.0@1551.33,646.33 ; pad.0@1535.91,636.74 1530.29,630.71 1525.11,624.31 1520.38,617.56 1516.14,610.5 1512.4,603.16 1509.18,595.57 1506.49,587.78 1504.36,579.82 1502.79,571.74 1501.78,563.56 1501.35,555.33 1501.33,553.27 1501.33,543.2 1501.44,540.08 1501.77,536.97 1502.31,533.9 1503.06,530.87 1504.03,527.9 1505.2,525 1506.57,522.2 1508.13,519.49 1509.87,516.9 1511.8,514.44 1513.89,512.12 1514.44,511.56 1517.31,508.88 1520.37,506.41 1523.58,504.15 1526.95,502.13 1530.45,500.35 1534.07,498.81 1537.78,497.53 1541.58,496.52 1545.43,495.77 1549.33,495.29 1553.26,495.08 1554.24,495.07 1555.64,495.06 1561.25,494.76 1566.83,494.08 1572.34,493.01 1577.77,491.55 1583.08,489.72 1588.25,487.53 1593.25,484.98 1598.07,482.09 1602.67,478.87 1607.03,475.33 1611.14,471.5 1652.16,430.49 1658.55,424.53 1665.34,419.03 1672.49,414.02 1679.98,409.52 1687.77,405.56 1695.81,402.14 1704.07,399.3 1712.51,397.04 1721.08,395.37 1729.75,394.31 1738.48,393.85 1740.66,393.83 1838.83,393.83 1839.88,393.83 1844.09,393.61 1848.27,393.09 1852.4,392.29 1856.46,391.2 1860.45,389.83 1864.32,388.18 1868.07,386.27 1871.68,384.11 1875.13,381.69 1878.4,379.04 1881.48,376.17 1911.67,345.98 1911.83,345.83 1911.99,345.7 1912.17,345.58 1912.35,345.47 1912.54,345.37 1912.74,345.29 1912.94,345.22 1913.14,345.16 1913.35,345.12 1913.56,345.1 1913.78,345.09 pad.0@1913.83,345.08
$Net18: pad.0@1295.08,1176.33 pad.0@1552.57,547.59 pad.0@1917.14,449.04 pad.0@2089.04,396.96 | length 1409.4
  Top Layer w11.81: pad.0@1912.99,452.99 1956.87,452.99 1960.16,452.96 1973.25,452.27 1986.26,450.68 1999.12,448.18 2011.78,444.78 2024.17,440.52 2036.24,435.4 2047.92,429.45 2059.15,422.69 2069.89,415.18 2080.07,406.93 pad.0@2089.66,397.99
  Bottom Layer w10: pad.0@1295.08,1173.42 1374.46,1173.42 1377.07,1173.4 1387.48,1172.85 1397.83,1171.58 1408.06,1169.59 1418.13,1166.89 1427.99,1163.5 1437.59,1159.42 1446.88,1154.69 1455.81,1149.32 1464.35,1143.34 1472.45,1136.78 1480.08,1129.67 1480.6,1129.14 1482.59,1126.92 1484.42,1124.58 1486.09,1122.11 1487.58,1119.53 1488.88,1116.86 1490,1114.1 1490.92,1111.27 1491.64,1108.38 1492.15,1105.45 1492.47,1102.49 1492.57,1099.51 1492.57,1031.32 1492.92,1021.32 1493.97,1011.36 1495.7,1001.51 1498.12,991.79 1501.22,982.27 1504.97,972.99 1509.36,964 1514.36,955.33 1519.96,947.03 1526.12,939.14 1532.82,931.71 1534.57,929.92 ; 1534.72,929.5 1581.56,882.65 ; pad.0@1543.42,546.33 1601.28,546.33 1601.71,546.33 1603.4,546.24 1605.08,546.03 1606.74,545.71 1608.37,545.27 1609.97,544.72 1611.52,544.06 1613.03,543.3 1614.48,542.43 1615.86,541.46 1617.17,540.39 1618.41,539.24 1625.74,532.4 1633.53,526.1 1641.74,520.35 1650.33,515.18 1659.27,510.63 1668.49,506.72 1677.97,503.45 1687.65,500.86 1697.49,498.94 1707.44,497.72 1717.45,497.2 1719.96,497.18 1816.74,497.18 1818.65,497.15 1826.29,496.75 1833.89,495.82 1841.39,494.36 1848.78,492.38 1856.02,489.89 1863.06,486.9 1869.88,483.43 1876.43,479.49 1882.7,475.1 1888.64,470.29 1894.24,465.07 1897.69,461.63 1898.61,460.77 1899.6,459.97 1900.63,459.25 1901.71,458.6 1902.84,458.02 1904,457.53 1905.2,457.12 1906.42,456.79 1907.66,456.55 1908.91,456.4 1910.17,456.33 pad.0@1910.49,456.32 ; pad.0@1553.19,563.23 1562.6,563.23 1599.26,599.88 1599.26,840.16 1599.11,844.4 1598.67,848.62 1597.93,852.79 1596.91,856.91 1595.6,860.94 1594.01,864.87 1592.15,868.68 1590.03,872.36 1587.66,875.87 1585.04,879.22 1582.21,882.37 1581.46,883.12
$Net19: pad.0@1295.08,1976.33 pad.0@1916.74,948.19 pad.0@2086.95,898.22 | length 1537.7
  Top Layer w11.81: pad.0@1917.58,949.67 2000.73,949.67 2002.78,949.65 2011.01,949.22 2019.2,948.21 2027.29,946.64 2035.25,944.5 2043.05,941.82 2050.64,938.6 2057.98,934.86 2065.05,930.61 2071.8,925.88 2078.21,920.69 pad.0@2084.24,915.07
  Bottom Layer w10: pad.0@1295.08,1976.33 1329.99,1941.42 1330.58,1940.84 1335.3,1935.69 1339.64,1930.23 1343.6,1924.48 1345.99,1920.54 1349.25,1914.37 1352.08,1907.98 1354.45,1901.42 1355.41,1898.27 1357.09,1891.5 1358.31,1884.63 1359.04,1877.69 1359.28,1870.71 1359.28,1861.44 1359.53,1854.15 1360.3,1846.89 1361.56,1839.7 1363.33,1832.62 1365.58,1825.69 1368.32,1818.92 1371.52,1812.36 1375.16,1806.04 1379.25,1799.99 1383.74,1794.24 1388.62,1788.82 1389.9,1787.52 1542.23,1635.19 1544.3,1633.08 1552.22,1624.28 1559.51,1614.95 1566.13,1605.14 1572.05,1594.89 1577.24,1584.25 1581.67,1573.27 1585.33,1562.02 1588.19,1550.53 1590.25,1538.87 1591.49,1527.1 1591.9,1515.27 ; 1591.77,1513.39 1591.77,1139.73 1591.98,1133.79 1592.6,1127.89 1593.63,1122.04 1595.07,1116.28 1596.9,1110.63 1599.13,1105.12 1601.73,1099.78 1604.7,1094.64 1608.02,1089.72 1611.68,1085.04 1615.65,1080.62 1616.69,1079.57 1692.82,1003.43 1697.96,1000.92 1700.15,999.94 1702.4,999.11 1704.71,998.45 1707.06,997.94 1709.43,997.6 1711.83,997.43 1713.09,997.41 ; 1711.09,997.17 1860.08,997.17 1860.44,997.17 1861.84,997.09 1863.24,996.92 1864.61,996.65 1865.97,996.29 1867.3,995.83 1868.59,995.29 1869.84,994.65 1871.04,993.93 1872.19,993.12 1873.28,992.24 1874.31,991.28 1910.89,954.7 1911.01,954.57 1911.48,954.05 1911.91,953.49 1912.3,952.91 1912.65,952.3 1912.96,951.67 1913.22,951.02 1913.44,950.35 1913.61,949.67 1913.73,948.98 1913.81,948.28 pad.0@1913.83,947.58
$Net20: pad.0@1295.08,2076.33 pad.0@1917.14,1047.79 pad.0@2089.45,998.62 | length 1531.2
  Top Layer w11.81: pad.0@1911.33,1048.42 2006.62,1048.42 2008.43,1048.4 2015.67,1048.02 2022.87,1047.14 2029.99,1045.75 2036.99,1043.88 2043.85,1041.51 2050.52,1038.68 2056.98,1035.39 2063.19,1031.66 2069.13,1027.5 2074.77,1022.93 pad.0@2080.07,1017.99
  Bottom Layer w10: pad.0@1301.33,2072.17 1301.33,2072.03 1301.35,2071.88 1301.37,2071.74 1301.41,2071.6 1301.45,2071.47 1301.51,2071.34 1301.57,2071.21 1301.64,2071.08 1301.72,2070.97 1301.81,2070.85 1301.91,2070.75 1343.52,2029.13 1344.88,2027.76 1350.04,2022.02 1354.8,2015.93 1359.11,2009.53 1362.97,2002.85 1366.36,1995.91 1369.25,1988.75 1371.64,1981.41 1373.5,1973.92 1374.84,1966.31 1375.65,1958.64 1375.92,1950.92 1375.92,1886.09 1376.27,1876.1 1377.31,1866.15 1379.05,1856.3 1381.47,1846.6 1384.56,1837.09 1388.31,1827.82 1392.69,1818.83 1397.69,1810.17 1403.28,1801.88 1409.44,1794 1416.13,1786.57 1417.88,1784.79 1564.05,1638.62 1566.02,1636.61 1573.56,1628.23 1580.5,1619.35 1586.8,1610.01 1592.43,1600.25 1597.37,1590.12 1601.59,1579.68 1605.08,1568.96 1607.8,1558.03 1609.76,1546.93 1610.94,1535.72 1611.33,1524.46 1611.33,1215.07 1611.57,1208.13 1612.3,1201.22 1613.51,1194.37 1615.19,1187.63 1617.33,1181.02 1619.94,1174.58 1622.98,1168.33 1626.46,1162.32 1630.34,1156.56 1634.62,1151.08 1639.27,1145.92 1640.49,1144.68 1661.48,1123.69 1666.61,1118.9 1672.07,1114.49 1677.82,1110.46 1683.83,1106.85 1690.09,1103.66 1696.55,1100.92 1703.18,1098.63 1709.96,1096.82 1716.85,1095.48 1723.82,1094.62 1730.83,1094.25 1732.57,1094.24 1852.67,1094.24 1853.44,1094.23 1856.51,1094.07 1859.56,1093.69 1862.58,1093.11 1865.55,1092.31 1868.46,1091.31 1871.29,1090.11 1874.03,1088.71 1876.67,1087.13 1879.19,1085.36 1881.58,1083.43 1883.83,1081.33 pad.0@1915.89,1049.27
$Net21: pad.0@1295.08,2176.33 pad.0@1916.32,1147.38 pad.0@2088.83,1161.33 | length 1564.3
  Top Layer w11.81: pad.0@1917.99,1152.18 2061.48,1152.18 2065.25,1152.31 2069,1152.71 2072.71,1153.36 2076.36,1154.27 2079.95,1155.44 2083.44,1156.85 2086.83,1158.5 2090.1,1160.39 2093.22,1162.49 2096.19,1164.81 2098.99,1167.34 pad.0@2099.66,1167.99
  Bottom Layer w10: pad.0@1290.08,2190.08 1290.12,2189.03 1290.23,2187.98 1290.41,2186.94 1290.66,2185.92 1290.99,2184.92 1291.38,2183.94 1291.85,2183 1292.37,2182.08 1292.96,2181.21 1293.61,2180.38 1294.32,2179.6 1294.5,2179.41 1355.49,2118.43 1357.13,2116.76 1363.38,2109.82 1369.12,2102.47 1374.34,2094.73 1379.01,2086.65 1383.1,2078.26 1386.6,2069.6 1389.48,2060.73 1391.74,2051.67 1393.36,2042.48 1394.33,2033.2 1394.66,2023.87 1394.66,1892.46 1395,1882.67 1396.03,1872.92 1397.73,1863.27 1400.1,1853.76 1403.13,1844.44 1406.8,1835.35 1411.1,1826.54 1416,1818.05 1421.48,1809.93 1427.51,1802.21 1434.07,1794.92 1435.78,1793.17 ; 1435.52,1792.91 1579.15,1649.28 ; 1578.53,1649.57 1580.72,1647.35 1589.06,1638.09 1596.73,1628.27 1603.7,1617.94 1609.93,1607.14 1615.39,1595.94 1620.06,1584.39 1623.91,1572.53 1626.93,1560.44 1629.09,1548.17 1630.39,1535.77 1630.83,1523.32 1630.83,1317.41 ; 1630.49,1318.08 1630.87,1307.26 1632,1296.5 1633.88,1285.83 1636.5,1275.33 1639.84,1265.04 1643.9,1255 1648.64,1245.27 1654.06,1235.89 1660.11,1226.92 1666.77,1218.39 1674.02,1210.35 1675.92,1208.42 1678.24,1206.25 1680.71,1204.25 1683.32,1202.43 1686.04,1200.79 1688.87,1199.35 1691.8,1198.11 1694.8,1197.08 1697.87,1196.25 1700.99,1195.65 1704.14,1195.26 1707.32,1195.09 1708.11,1195.08 1841.33,1195.08 1842.51,1195.07 1847.2,1194.82 1851.87,1194.25 1856.49,1193.35 1861.04,1192.14 1865.48,1190.6 1869.81,1188.77 1874.01,1186.63 1878.04,1184.21 1881.89,1181.51 1885.55,1178.55 1888.99,1175.34 1915.57,1148.76 1915.77,1148.57 1915.99,1148.39 1916.22,1148.23 1916.46,1148.09 1916.71,1147.96 1916.97,1147.85 1917.24,1147.76 1917.51,1147.69 1917.78,1147.63 1918.06,1147.6 1918.34,1147.58 pad.0@1918.42,1147.58